# KiCad board Arduino_AAT.kicad_pcb
title: Arduino Tracking Antenna PCB; date: 2024-03-16; rev: 0.9
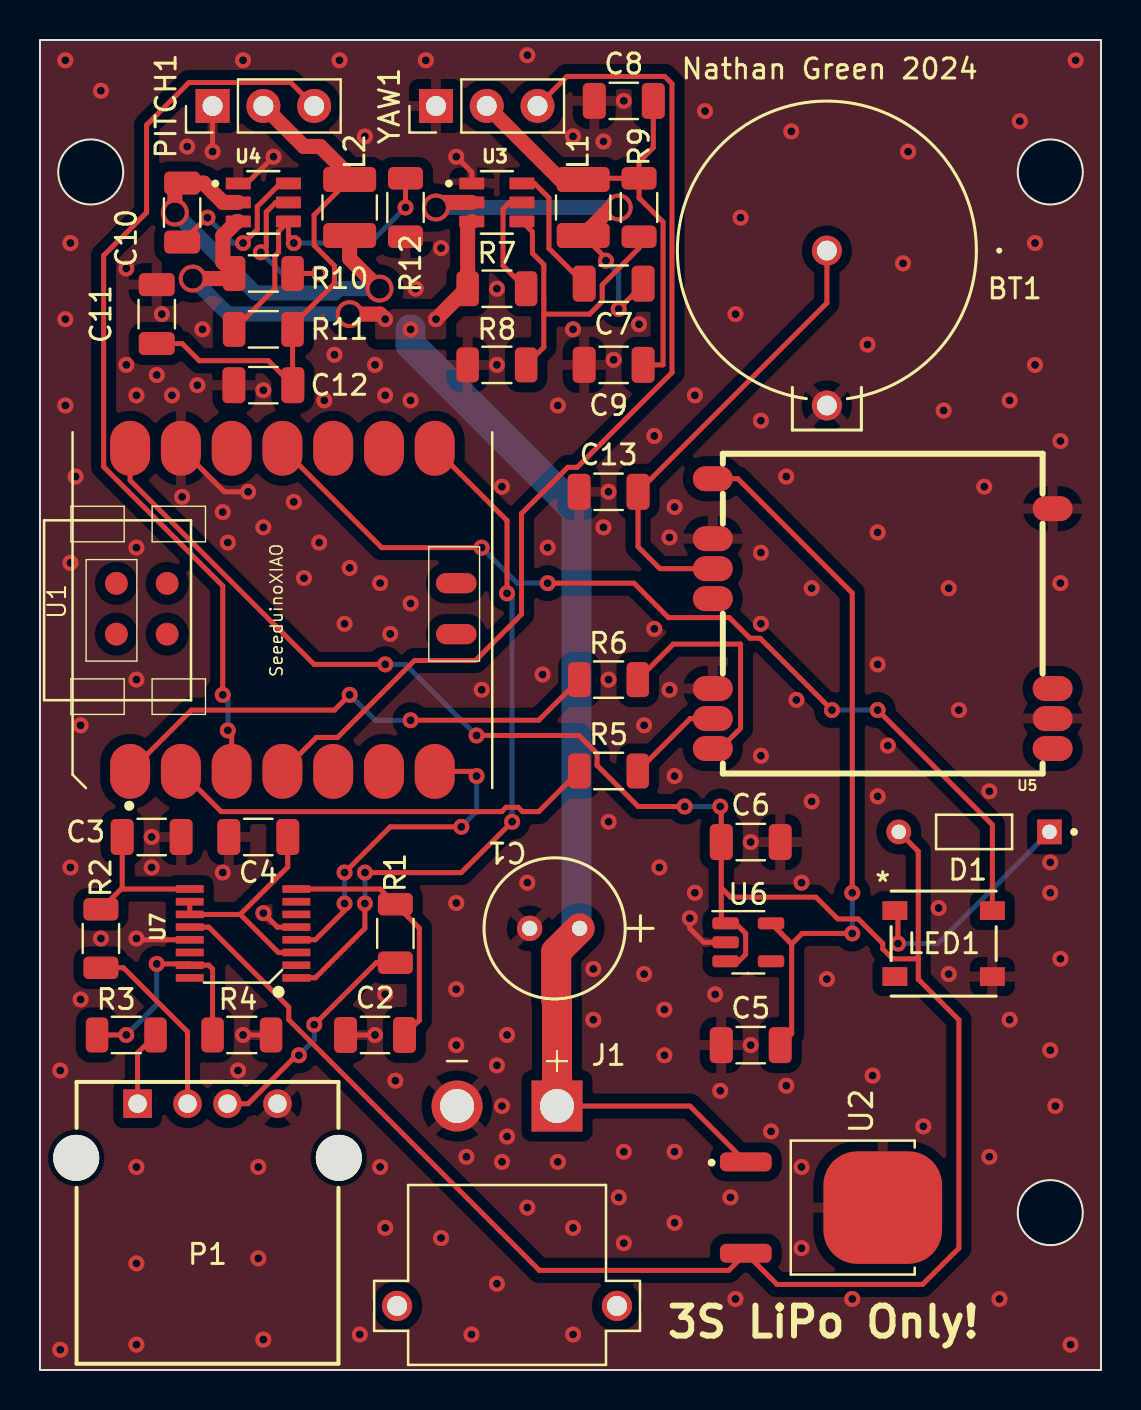
[diagram p0: board, top side]
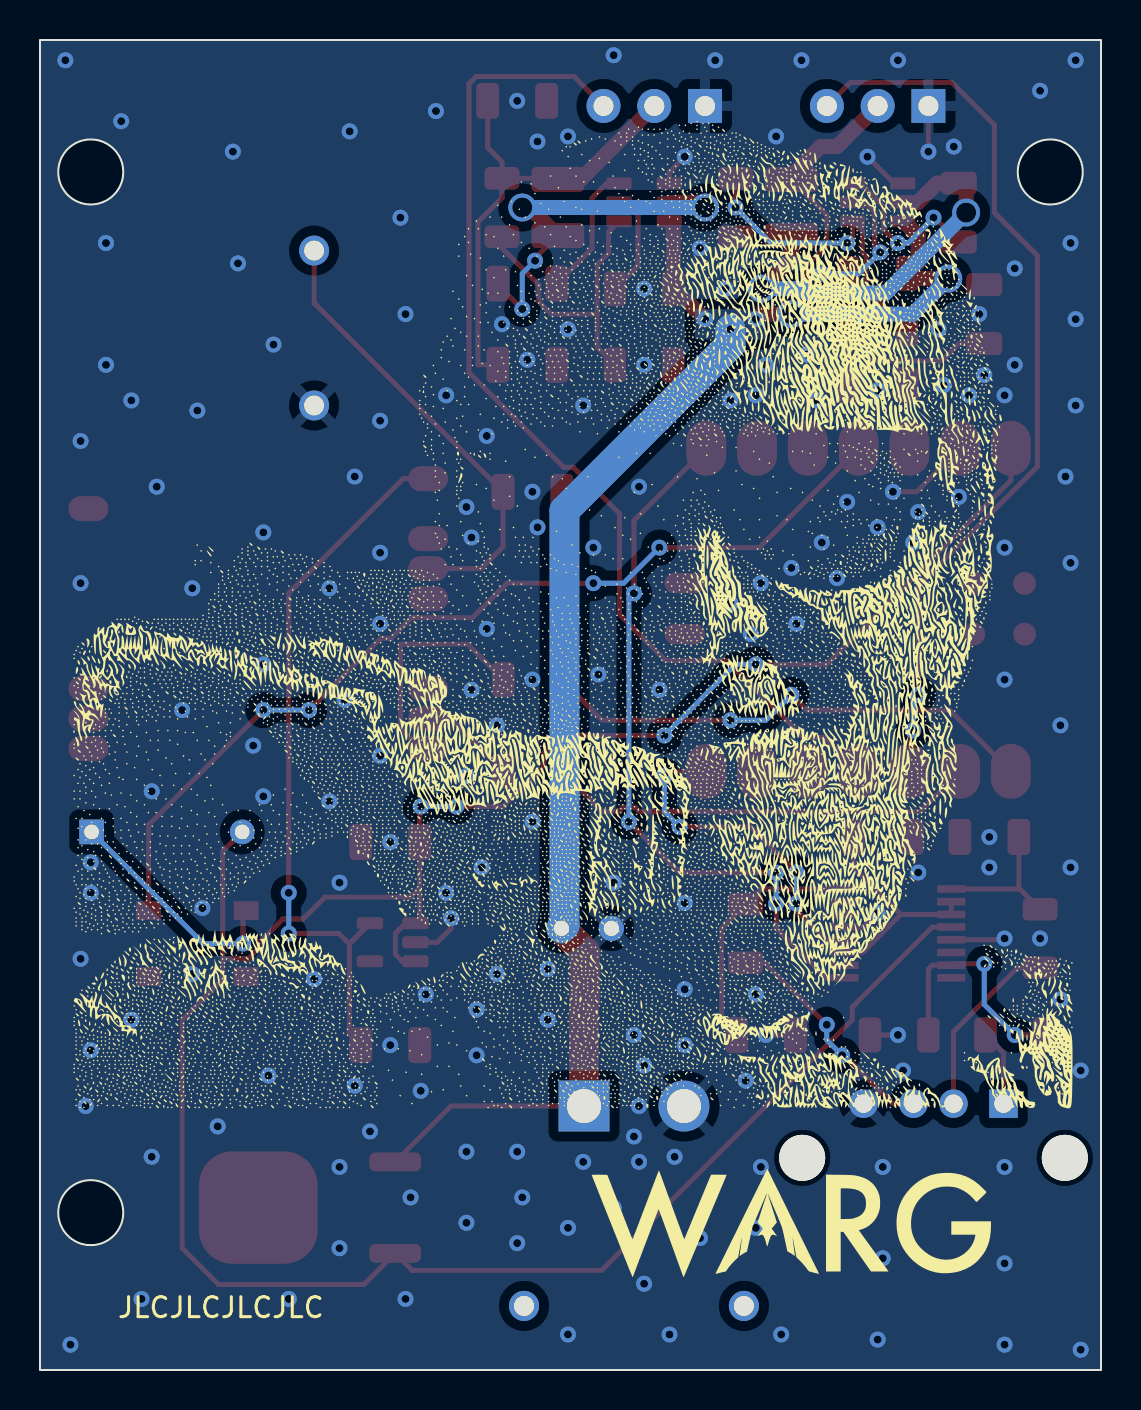
[diagram p1: board, bottom side, seen from below]

Outline 53.09 x 66.55 mm; copper layers: Top, Bottom. Coordinates in mm from the lower left corner of the outline.
Outline path: rectangle 0,66.55 53.09,0 ; circle c2.54,59.94 r1.63 ; circle c50.55,59.94 r1.63 ; circle c50.55,7.87 r1.63
Stack: Top 0.035mm / dielectric 1.51mm FR4 er 4.5 / Bottom 0.035mm

## Placement (name value [footprint] x y rotation side)
BT1  Battery_Cell  [BH-98R-1_ADM]  39.37 56.01 0 top
C1  220uF  [CAP_YX_6P3X11_RUB]  27 22.1 180 top
C2  47pF  [C_1206_3216Metric]  16.76 16.76 0 top
C3  47pF  [C_1206_3216Metric]  5.59 26.67 180 top
C4  100nF  [C_1206_3216Metric]  10.92 26.67 0 top
C5  47uF  [C_1206_3216Metric]  35.56 16.26 0 top
C6  47uF  [C_1206_3216Metric]  35.56 26.42 0 top
C7  0.1uF  [C_1206_3216Metric]  28.7 54.36 180 top
C8  22uF  [C_1206_3216Metric]  29.21 63.5 0 top
C9  22uF  [C_1206_3216Metric]  28.7 50.29 0 top
C10  0.1uF  [C_1206_3216Metric]  7.11 57.91 270 top
C11  22uF  [C_1206_3216Metric]  5.84 52.83 270 top
C12  22uF  [C_1206_3216Metric]  11.18 49.28 0 top
C13  1uF  [C_1206_3216Metric]  28.45 43.94 0 top
D1  1N4148TR  [DIOAD753W49L380D172B]  46.74 26.92 180 top
G***  LOGO  [warg]  15.49 7.37 180 bottom
G***#2  LOGO  [bateman_phone]  26.42 38.1 180 bottom
J1  XT30PW-M  [AMASS_XT30PW-M]  23.37 3.21 180 top
L1  3.3uF  [L_1210_3225Metric]  27.18 58.17 90 top
L2  3.3uF  [L_1210_3225Metric]  15.49 58.17 90 top
LED1  COM-16347  [COM-16347_SPK]  45.21 21.34 0 top
P1  USB-A1HSW6  [OST_USB-A1HSW6]  8.38 6.82 0 top
PITCH1  Conn_01x03_Pin  [PinHeader_1x03_P2.54mm_Vertical]  8.64 63.25 90 top
R1  27R  [R_1206_3216Metric]  17.78 21.84 270 top
R2  27R  [R_1206_3216Metric]  3.05 21.59 270 top
R3  4k7  [R_1206_3216Metric]  4.32 16.76 0 top
R4  10k  [R_1206_3216Metric]  10.1 16.76 180 top
R5  220R  [R_1206_3216Metric]  28.45 29.97 0 top
R6  220R  [R_1206_3216Metric]  28.45 34.54 0 top
R7  10k  [R_1206_3216Metric]  22.86 54.1 180 top
R8  10k  [R_1206_3216Metric]  22.86 50.29 180 top
R9  54.9k  [R_1206_3216Metric]  29.97 58.17 270 top
R10  10k  [R_1206_3216Metric]  11.18 54.86 180 top
R11  54.9k  [R_1206_3216Metric]  11.18 52.07 180 top
R12  10k  [R_1206_3216Metric]  18.29 58.17 270 top
U1  SeeeduinoXIAO  [Seeeduino XIAO-MOUDLE14P-2.54-21X17.8MM]  22.63 29.12 90 top
U2  AS7805ADTR-G1  [DPAK457P1010X238-3N]  39.57 8.13 270 top
U3  TPS563201DDCR  [SOT95P280X110-6N]  22.86 58.42 0 top
U4  TPS563201DDCR  [SOT95P280X110-6N]  11.18 58.42 0 top
U5  -  [PA6H-GPS]  42.16 37.85 0 top
U6  MIC5504-3.3YM5  [SOT-23-5]  35.44 21.4 0 top
U7  INTERFACE-FT230XS-R_SSOP16_  [SSOP16-0.635-5X4MM]  10.16 21.84 90 top
YAW1  Conn_01x03_Pin  [PinHeader_1x03_P2.54mm_Vertical]  19.81 63.25 90 top

## Library data of the parts
BT1 = -: Description: Single-cell battery
C1 = -: Description: Polarized capacitor; Part No: 25YXJ220M6.3X11
C2-C13 = -: Description: Unpolarized capacitor
D1 = -: Description: Diode Small Signal Switching Si 100V 0.3A 2-Pin DO-35 T/R; Availability: In Stock; Check_prices: https://www.snapeda.com/parts/1N4148TR/Onsemi/view-part/?ref=eda; MANUFACTURER: Onsemi; MAXIMUM_PACKAGE_HEIGHT: 1.91mm; MF: onsemi; PARTREV: 5; Package: AXIAL LEAD-2 ON Semiconductor; Price: None; Purchase-URL: https://www.snapeda.com/api/url_track_click_mouser/?unipart_id=7125242&manufacturer=onsemi&part_name=1N4148TR&search_term=1n4148tr; STANDARD: IPC-7351B; SnapEDA_Link: https://www.snapeda.com/parts/1N4148TR/Onsemi/view-part/?ref=snap
J1 = -: Description: Socket; DC supply; XT30; male; PIN: 2; on PCBs; THT; Colour: yellow; Availability: Not in stock; Check_prices: https://www.snapeda.com/parts/XT30PW-M/AMASS/view-part/?ref=eda; MANUFACTURER: Amass; MAXIMUM_PACKAGE_HEIGHT: 5 mm; MF: AMASS; PARTREV: 1.2; Package: None; Price: None; STANDARD: Manufacturer Recommendations; SnapEDA_Link: https://www.snapeda.com/parts/XT30PW-M/AMASS/view-part/?ref=snap
L1 L2 = -: Description: Inductor
P1 = -: Description: USB-A (USB TYPE-A) - Receptacle Connector 4 Position Through Hole, Right Angle; Availability: In Stock; Check_prices: https://www.snapeda.com/parts/USB-A1HSW6/On+Shore+Technology+Inc./view-part/?ref=eda; MANUFACTURER: On-Shore Technology, Inc.; MF: On Shore; Package: None; Price: None; SnapEDA_Link: https://www.snapeda.com/parts/USB-A1HSW6/On+Shore+Technology+Inc./view-part/?ref=snap
PITCH1 YAW1 = -: Description: Generic connector, single row, 01x03, script generated
R1-R12 = -: Description: Resistor
U2 = -: Description: 1A Low Dropout regulator, positive, 5.0V fixed output, TO-252
U3 U4 = -: Description: 4.5 V to 17 V input, 3 A output, synchronous step-down converter in Eco-mode; Availability: In Stock; Check_prices: https://www.snapeda.com/parts/TPS563201DDCR/Texas+Instruments/view-part/?ref=eda; MANUFACTURER: Texas Instruments; MAXIMUM_PACKAGE_HEIGHT: 1.10mm; MF: Texas Instruments; PARTREV: December 2015; Package: SOT-23-THN-6 Texas Instruments; Price: None; Purchase-URL: https://www.snapeda.com/api/url_track_click_mouser/?unipart_id=1236927&manufacturer=Texas Instruments&part_name=TPS563201DDCR&search_term=tps563201ddcr; STANDARD: IPC-7351B; SnapEDA_Link: https://www.snapeda.com/parts/TPS563201DDCR/Texas+Instruments/view-part/?ref=snap
U5 = -: req: FGPMMOPA6H/25mA/3V3/16x16x4.7mm
U6 = -: Description: 300mA Low-dropout Voltage Regulator, Vout 3.3V, Vin up to 5.5V, SOT-23
U7 = -: Description: USB Bridge, USB to UART USB 2.0 UART Interface 16-SSOP; Availability: In Stock; Check_prices: https://www.snapeda.com/parts/FT230XS-R/FTDI%252C+Future+Technology+Devices+International+Ltd/view-part/?ref=eda; MF: FTDI,; MP: FT230XS-R; MPN: FT230XS-R; Package: SSOP-16 FTDI; Price: None; Purchase-URL: https://www.snapeda.com/api/url_track_click_mouser/?unipart_id=51325&manufacturer=FTDI,&part_name=FT230XS-R&search_term=None; SnapEDA_Link: https://www.snapeda.com/parts/FT230XS-R/FTDI%252C+Future+Technology+Devices+International+Ltd/view-part/?ref=snap

## Footprints (pads in the part's own frame, mm; a bottom-side part is the same pattern mirrored in y, then rotated)
AMASS_XT30PW-M
  round 2.55 hole 1.7: N(2.5,-10)
  rect 2.55x2.55 hole 1.7: P(-2.5,-10)
  round 1.508 hole 1: S1(5.5,0) S2(-5.5,0)
BH-98R-1_ADM
  round 1.499 hole 0.991: 1(0,0) 2(0,-7.75)
C_1206_3216Metric
  rrect 1.15x1.8 smd: 1(-1.475,0) 2(1.475,0)
CAP_YX_6P3X11_RUB
  round 1.27 hole 0.762: 1(0,0) 2(2.5,0)
COM-16347_SPK
  rect 1.245x0.94 smd: 1(-2.438,1.65) 2(-2.438,-1.65) 3(2.438,-1.65) 4(2.438,1.65)
DIOAD753W49L380D172B
  round 1.238 hole 0.73: A(3.768,0)
  rect 1.238x1.238 hole 0.73: K(-3.768,0)
DPAK457P1010X238-3N
  rrect 5.63x5.94 smd: 1(0,2.59)
  rrect 0.95x2.59 smd: 2(2.286,-4.26) 3(-2.286,-4.26)
L_1210_3225Metric
  rrect 1.25x2.65 smd: 1(-1.4,0) 2(1.4,0)
OST_USB-A1HSW6
  round 2.3 hole 2.3 unplated: (-6.57,3.8) (6.57,3.8)
  rect 1.428x1.428 hole 0.92: 1(-3.5,6.51)
  round 1.428 hole 0.92: 2(-1,6.51) 3(1,6.51) 4(3.5,6.51)
PA6H-GPS
  oval 2x1.25 smd: 1(-8.5,6.75) 3(-8.5,3.75) 4(-8.5,2.25) 5(-8.5,0.75) 8(-8.5,-3.75) 9(-8.5,-5.25) 10(-8.5,-6.75) 11(8.5,-6.75) 12(8.5,-5.25) 13(8.5,-3.75) 19(8.5,5.25)
PinHeader_1x03_P2.54mm_Vertical
  rect 1.7x1.7 hole 1: 1(0,0)
  oval 1.7x1.7 hole 1: 2(0,-2.54) 3(0,-5.08)
R_1206_3216Metric
  rrect 1.125x1.75 smd: 1(-1.462,0) 2(1.462,0)
Seeeduino XIAO-MOUDLE14P-2.54-21X17.8MM
  oval 2.748x1.999 smd: 1(0.833,18.118) 2(0.833,15.578) 3(0.833,13.038) 4(0.833,10.498) 5(0.833,7.958) 6(0.833,5.418) 7(0.833,2.878) 8(16.998,2.878) 9(16.998,5.418) 10(16.998,7.958) 11(16.998,10.498) 12(16.998,13.038) 13(16.998,15.578) 14(16.998,18.118)
  oval 1.016x2.032 smd: 15(7.7,1.8) 16(10.25,1.8)
  round 1.143 smd: 17(7.699,18.804) 18(10.239,18.804) 19(7.699,16.264) 20(10.239,16.264)
SOT95P280X110-6N
  rrect 1.25x0.59 smd: 1(-1.255,0.95) 2(-1.255,0) 3(-1.255,-0.95) 4(1.255,-0.95) 5(1.255,0) 6(1.255,0.95)
SOT-23-5
  rrect 1.325x0.6 smd: 1(-1.137,0.95) 2(-1.137,0) 3(-1.137,-0.95) 4(1.137,-0.95) 5(1.137,0.95)
SSOP16-0.635-5X4MM
  rect 0.381x1.397 smd: 1(-2.223,-2.667) 2(-1.587,-2.667) 3(-0.953,-2.667) 4(-0.318,-2.667) 5(0.318,-2.667) 6(0.953,-2.667) 7(1.587,-2.667) 8(2.223,-2.667) 9(2.223,2.667) 10(1.587,2.667) 11(0.953,2.667) 12(0.318,2.667) 13(-0.318,2.667) 14(-0.953,2.667) 15(-1.587,2.667) 16(-2.223,2.667)

## Nets
GND: BT1.2 C1.2 C2.1 C3.1 C4.1 C5.1 C6.2 C8.1 C9.1 C11.1 C12.1 C13.1 J1.N LED1.3 P1.4 PITCH1.1 R4.1 R8.2 R12.2 U1.13 U2.1 U3.1 U4.1 U5.3 U5.8 U5.12 U5.19 U6.2 U7.5 U7.13 YAW1.1
V_XT30: C1.1 J1.P R7.2 R10.2 U2.3 U3.3 U4.3
Net-(BT1-+): BT1.1 C13.2 U5.4
Net-(LED1-DIN): LED1.4 U1.11
Net-(LED1-VDD): D1.K LED1.1
Net-(P1-D+): P1.3 R1.2
Net-(P1-D-): P1.2 R2.2
Net-(P1-VBUS): P1.1 R3.2
Net-(PITCH1-Pin_2): C11.2 C12.2 L2.2 PITCH1.2 R11.1
Net-(PITCH1-Pin_3): PITCH1.3 U1.3
Net-(U1-PA02_A0_D0): R6.1 U1.1
Net-(U1-PA4_A1_D1): R5.1 U1.2
Net-(U1-PA11_A3_D3): U1.4 YAW1.3
Net-(U1-PB08_A6_D6_TX): U1.7 U7.4
Net-(U1-PB09_A7_D7_RX): U1.8 U7.1
Net-(U2-VO): C6.1 D1.A U1.14 U2.2 U6.1 U6.3 U7.12
Net-(U3-EN): R7.1 U3.5
Net-(U3-SW): C7.1 L1.1 U3.2
Net-(U3-VBST): C7.2 U3.6
Net-(U3-VFB): R8.1 R9.2 U3.4
Net-(U4-EN): R10.1 U4.5
Net-(U4-SW): C10.1 L2.1 U4.2
Net-(U4-VBST): C10.2 U4.6
Net-(U4-VFB): R11.2 R12.1 U4.4
Net-(U5-RX): R6.2 U5.10
Net-(U5-TX): R5.2 U5.9
Net-(U5-Vcc): C5.2 U5.1 U6.5
Net-(U7-3V3OUT): C4.2 U7.3 U7.10 U7.11
Net-(U7-CBUS0): R3.1 R4.2 U7.15
Net-(U7-USBDM): C3.2 R2.1 U7.9
Net-(U7-USBDP): C2.2 R1.1 U7.8
Net-(YAW1-Pin_2): C8.2 C9.2 L1.2 R9.1 YAW1.2

Pads without a net: J1 S1 S2; LED1 2; U1 5 6 9 10 12 15 16 17 18 19 20; U5 5 11 13; U6 4; U7 2 6 7 14 16

## Via types
v1: diameter 0.8, hole 0.4, Top to Bottom, 222 vias
v2: diameter 1.4, hole 1, Top to Bottom, 6 vias

## Routing (per net, layer and track width the routed paths; a pad name or vN(x,y) marks a point on that pad's centre or on a via; arc(x,y) is an arc through that point)
GND: length 20.8
  Top w0.25: U7.5 11.87,22.16 v1(11.18,22.86) ; v1(10.41,43.94) 9.23,43.94 U1.13 ; U7.13 4.89,21.53 v1(4.83,21.59) ; v1(20.83,60.71) 21.61,59.93 U3.1 ; v1(32.51,22.61) 32.51,22.1 33.21,21.4 U6.2 ; v1(11.68,60.71) 10.35,59.37 U4.1 ; C2.1 v1(16.76,16.76) ; v1(8.64,60.96) PITCH1.1 ; R4.1 v1(10.16,16.76) ; 34.16,41.6 34.16,41.78
  vias: v1(1.02,14.99) v1(1.02,1.02) v1(1.27,65.53) v1(1.27,52.58) v1(1.27,48.26) v1(1.52,56.39) v1(1.52,40.39) v1(1.52,25.15) v1(1.78,44.7) v1(2.03,32.26) v1(2.03,18.54) v1(3.05,64.01) v1(3.05,21.59) v1(4.32,55.12) v1(4.32,50.29) v1(4.83,48.77) v1(4.83,41.15) v1(4.83,34.54) v1(4.83,10.16) v1(4.83,5.33) v1(4.83,1.27) v1(5.59,26.67) v1(5.59,25.15) v1(5.84,49.78) v1(6.1,52.83) v1(6.6,48.77) v1(7.11,43.69) v1(7.37,61.21) v1(7.87,49.28) v1(8.13,52.07) v1(9.14,42.93) v1(9.14,24.89) v1(9.4,41.4) v1(9.91,14.99) v1(10.16,65.53) v1(10.92,10.16) v1(10.92,5.59) v1(11.18,49.02) v1(11.18,42.16) v1(11.18,1.52) v1(12.7,43.43) v1(13.21,39.62) v1(13.97,41.4) v1(14.22,48.51) v1(14.73,50.8) v1(14.99,65.53) v1(15.24,37.34) v1(15.49,40.13) v1(16,1.78) v1(16.26,61.72) v1(16.76,50.29) v1(17.02,39.37) v1(17.02,10.16) v1(17.27,48.77) v1(17.27,18.8) v1(17.27,7.11) v1(17.53,36.83) v1(17.78,14.48) v1(18.54,48.51) v1(18.54,38.35) v1(18.8,54.1) v1(19.3,65.53) v1(20.07,56.13) v1(20.07,6.6) v1(20.83,23.37) v1(20.83,19.05) v1(20.83,16.26) v1(21.34,10.67) v1(21.59,1.78) v1(22.1,34.04) v1(22.86,54.1) v1(22.86,50.29) v1(22.86,15.24) v1(22.86,4.32) v1(23.11,44.2) v1(23.11,13.21) v1(23.11,10.41) v1(23.37,16.76) v1(23.37,11.68) v1(24.38,65.79) v1(24.38,24.38) v1(24.38,8.13) v1(25.15,34.8) v1(25.4,41.15) v1(25.91,48.26) v1(25.91,10.41) v1(26.67,61.72) v1(26.67,52.07) v1(26.67,7.11) v1(26.67,1.78) v1(27.69,20.07) v1(27.69,17.53) v1(28.19,61.47) v1(28.19,42.16) v1(28.45,43.94) v1(28.45,34.54) v1(28.45,27.43) v1(28.7,50.55) v1(28.96,8.64) v1(29.21,63.5) v1(29.21,10.92) v1(29.21,6.35) v1(29.97,52.32) v1(30.23,32.26) v1(30.23,19.81) v1(30.73,46.74) v1(30.73,37.08) v1(30.99,25.15) v1(31.24,18.03) v1(31.24,15.75) v1(31.5,41.66) v1(31.5,34.04) v1(31.75,43.18) v1(31.75,29.72) v1(31.75,10.92) v1(31.75,7.37) v1(32.77,48.77) v1(32.77,23.88) v1(33.27,62.99) v1(33.78,18.8) v1(34.04,13.97) v1(34.54,8.64) v1(34.8,52.83) v1(34.8,3.56) v1(35.05,57.66) v1(35.56,26.42) v1(35.56,16.26) v1(36.07,47.5) v1(36.07,40.89) v1(36.07,37.34) v1(36.07,30.73) v1(36.58,11.94) v1(37.34,44.7) v1(37.34,14.22) v1(37.59,61.98) v1(37.85,33.53) v1(38.1,24.38) v1(38.1,10.16) v1(38.1,6.1) v1(38.61,39.12) v1(38.61,28.45) v1(39.37,19.56) v1(40.64,3.56) v1(41.4,51.31) v1(41.66,14.73) v1(41.91,41.91) v1(41.91,35.31) v1(41.91,28.7) v1(42.42,31.24) v1(43.18,55.37) v1(43.43,60.96) v1(44.2,12.19) v1(44.96,23.11) v1(45.21,48.01) v1(45.47,39.12) v1(45.47,19.81) v1(45.97,33.02) v1(47.24,44.2) v1(47.5,28.96) v1(47.5,10.67) v1(48.01,3.56) v1(48.51,48.51) v1(48.51,17.53) v1(49.02,62.48) v1(49.78,56.39) v1(49.78,50.29) v1(50.55,25.4) v1(50.55,23.88) v1(50.55,16) v1(50.8,13.21) v1(51.05,46.48) v1(51.05,39.37) v1(51.05,20.57) v1(51.56,1.27) v1(51.82,65.53)
V_XT30: length 75
  Top w0.25: U2.3 32.52,13.21 J1.P
  Top w0.75: v1(19.81,52.58) 21.34,54.1 R7.2 21.4,57.26 U3.3 ; U4.3 9.86,57.47 9.15,56.76 9.15,55.43 R10.2 9.46,54.61 v2(7.64,54.61) ; v2(15.49,52.83) 17.02,52.83 v1(17.27,52.58)
  Top w1.5: J1.P 25.87,18.5 25.83,18.54 25.83,20.93 C1.1
  Bottom w0.75: v2(7.64,54.61) 9.42,52.83 v2(15.49,52.83)
  Bottom w1.5: v1(18.54,52.07) 18.54,51.31 26.84,43.01 26.84,22.25 C1.1
Net-(BT1-+): length 22.9
  Top w0.25: BT1.1 39.37,53.39 C13.2 29.92,41.19 31.01,40.1 U5.4
Net-(LED1-DIN): length 47.6
  Top w0.25: U1.11 17.1,41.15 v1(22.1,41.15) ; LED1.4 47.65,27.28 v1(41.91,33.02) ; v1(39.62,33.02) 36.03,36.61 35.52,36.61 34.49,37.65 31.44,37.65 29.72,39.37 v1(25.4,39.37)
  Bottom w0.25: v1(41.91,33.02) v1(39.62,33.02) ; v1(25.4,39.37) 23.89,39.37 22.11,41.15 v1(22.1,41.15)
Net-(LED1-VDD): length 11.6
  Top w0.25: v1(42.93,21.34) 42.93,22.83 LED1.1
  Bottom w0.25: v1(42.93,21.34) 44.92,21.34 D1.K
Net-(P1-D+): length 11.8
  Top w0.25: P1.3 10.41,13.33 12.83,15.75 v1(12.95,15.75) ; v1(13.72,17.28) 16.83,20.38 R1.2
  Bottom w0.25: v1(13.72,17.28) 13.72,16.51 v1(12.95,15.75)
Net-(P1-D-): length 9.3
  Top w0.25: P1.2 7.38,16.92 4.17,20.13 R2.2
Net-(P1-VBUS): length 3.8
  Top w0.25: R3.2 4.88,15.87 P1.1
Net-(PITCH1-Pin_2): length 25.9
  Top w0.25: C11.2 7.11,51.36 7.97,50.5 11.43,50.5 C12.2 12.64,49.29 R11.1 12.64,52.27 14.73,54.37 14.73,55.26 13.72,56.27 13.72,57.79 L2.2
  Top w0.5: 15.49,59.57 L2.2
  Top w0.75: PITCH1.2 13.2,61.22 14.02,61.22 15.49,59.75 L2.2
Net-(PITCH1-Pin_3): length 45.6
  Top w0.25: v1(9.14,33.78) 9.14,39.24 3.19,45.19 3.19,55.76 5.33,57.91 5.33,62.29 7.46,64.42 12.54,64.42 PITCH1.3 ; v1(9.4,32) 9.59,31.81 U1.3
  Bottom w0.25: v1(9.14,33.78) 9.4,33.53 v1(9.4,32)
Net-(U1-PA02_A0_D0): length 25.4
  Top w0.25: U1.1 7.58,33.02 14.73,33.02 v1(15.49,33.78) ; v1(18.54,32.51) 24.95,32.51 R6.1
  Bottom w0.25: v1(18.54,32.51) 16.76,32.51 v1(15.49,33.78)
Net-(U1-PA4_A1_D1): length 21.8
  Top w0.25: U1.2 9.06,27.94 23.1,27.94 23.32,28.16 23.92,28.16 24.14,27.94 24.95,27.94 R5.1
Net-(U1-PA11_A3_D3): length 52.7
  Top w0.25: YAW1.3 26.37,64.72 31.26,64.72 31.62,64.36 31.62,49.91 26.88,45.17 26.4,45.17 24.09,42.86 24.09,37.81 21.79,35.5 18.74,35.5 14.89,31.65 13.83,31.65 U1.4
Net-(U1-PB08_A6_D6_TX): length 16.8
  Top w0.25: U7.4 13.78,21.53 15.24,22.99 v1(15.24,23.34) ; v1(21.08,27.18) 17.53,27.18 v1(15.24,24.89) ; v1(21.84,29.72) 21.61,29.95 U1.7
  Bottom w0.25: v1(15.24,24.89) v1(15.24,23.34) ; v1(21.84,29.72) 21.84,27.94 v1(21.08,27.18)
Net-(U1-PB09_A7_D7_RX): length 35.9
  Top w0.25: v1(23.62,27.43) 21.08,24.89 v1(16.26,24.89) ; v1(16.26,23.34) 16.26,22.1 13.78,19.62 U7.1 ; U1.8 23.37,42.5 v1(23.37,38.86)
  Bottom w0.25: v1(16.26,23.34) 16.26,24.88 v1(16.26,24.89) ; v1(23.37,38.86) 23.62,38.61 v1(23.62,27.43)
Net-(U2-VO): length 128.9
  Top w0.25: U1.14 4.51,44.51 13.72,35.31 v1(17.27,35.31) ; D1.A 43.94,25.95 43.94,20.57 ; v1(34.04,28.19) 34.08,28.14 C6.1 34.08,24.13 ; 34.08,24.13 34.56,23.66 38.83,23.66 39.92,22.57 40.94,22.57 42.16,21.35 42.16,21.07 42.66,20.57 43.94,20.57 ; 34.08,24.13 34.08,22.57 U6.1 34.8,22.35 35.31,21.84 35.31,20.79 34.96,20.45 U6.3 ; 43.94,20.57 43.94,19.55 45.97,17.52 45.97,6.1 44.16,4.28 36.87,4.28 U2.2 34.46,4.99 24.98,4.99 12.45,17.52 12.45,18.15 8.44,22.16 U7.12 ; v1(21.84,31.75) 26.97,31.75 27.87,30.84 27.87,30.25 29.93,28.19 v1(32.26,28.19)
  Bottom w0.25: v1(21.84,31.75) 18.29,35.31 v1(17.27,35.31) ; v1(34.04,28.19) v1(32.26,28.19)
Net-(U3-EN): length 5.6
  Top w0.25: U3.5 23.49,58.42 23.17,58.09 23.17,55.26 R7.1
Net-(U3-SW): length 20.4
  Top w0.25: 27.94,56.59 27.18,56.59 ; v1(28.32,55.5) 28.32,55.63 L1.1 ; v1(28.96,53.09) 30.18,54.31 30.18,54.36
  Top w0.75: v2(19.81,58.17) 20.07,58.42 U3.2 ; L1.1 28.58,58.17 v2(28.96,58.17)
  Bottom w0.25: v1(28.96,53.09) 28.96,54.86 v1(28.32,55.5)
  Bottom w0.75: v2(19.81,58.17) v2(28.96,58.17)
Net-(U3-VBST): length 6.7
  Top w0.25: U3.6 24.74,59.37 25.46,58.65 25.46,56.12 C7.2 27.23,54.43
Net-(U3-VFB): length 15.2
  Top w0.25: R9.2 29.97,56.13 28.13,54.29 28.13,53.46 27.5,52.83 25.21,52.83 ; 25.21,52.83 25.21,55.31 24.64,55.88 24.64,56.95 U3.4 ; 25.21,52.83 25.21,51.18 R8.1
Net-(U4-EN): length 8.1
  Top w0.25: v1(13.97,54.86) R10.1 ; v1(11.05,55.92) 11.32,56.19 11.32,57.93 11.81,58.42 U4.5
  Bottom w0.25: v1(11.05,55.92) 12.11,54.86 v1(13.97,54.86)
Net-(U4-SW): length 20.8
  Top w0.25: 15.24,57.02 L2.1 ; 15.24,56.84 15.49,56.59
  Top w0.75: v2(6.75,57.91) 6.75,59.02 C10.1 8.19,59.39 9.16,58.42 U4.2 ; L2.1 15.49,55.6 v2(16.99,54.11)
  Bottom w0.75: v2(6.75,57.91) 10.77,53.89 14.75,53.89 14.97,54.11 v2(16.99,54.11)
Net-(U4-VBST): length 8.3
  Top w0.25: U4.6 12.02,59.37 10.87,58.22 10.87,57.06 10.2,56.39 v1(10.16,56.39) ; C10.2 8.33,57.66 v1(8.38,57.66)
  Bottom w0.25: v1(10.16,56.39) 9.65,56.39 v1(8.38,57.66)
Net-(U4-VFB): length 15.5
  Top w0.25: v1(12.7,56.39) 12.43,56.66 U4.4 11.94,56.98 11.94,55.92 11.75,55.73 11.75,54.11 R11.2 ; v1(18.29,58.17) R12.1
  Bottom w0.25: v1(18.29,58.17) 16.51,56.39 v1(12.7,56.39)
Net-(U5-RX): length 11.9
  Top w0.25: R6.2 31.69,36.32 35.05,36.32 35.05,32.11 34.04,31.1 U5.10
Net-(U5-TX): length 4.8
  Top w0.25: U5.9 32.53,32.6 R5.2
Net-(U5-Vcc): length 37.8
  Top w0.25: v1(40.64,23.88) 40.64,38.87 34.91,44.6 U5.1 ; v1(40.64,21.84) 38.14,21.84 37.61,21.32 ; 37.61,21.32 37.61,16.83 C5.2 ; 37.61,21.32 U6.5 37.56,21.36
  Bottom w0.25: v1(40.64,23.88) v1(40.64,21.84)
Net-(U7-3V3OUT): length 11.6
  Top w0.25: 10.02,22.8 U7.11 U7.10 ; 10.02,22.8 12.4,25.18 C4.2 ; 10.02,22.8 11.92,20.89 U7.3
Net-(U7-CBUS0): length 11.8
  Top w0.25: R3.1 v1(4.32,16.76) ; R4.2 8.64,20.06 8.44,20.26 U7.15 7.43,20.32 v1(5.84,20.32)
  Bottom w0.25: v1(4.32,16.76) 5.84,18.29 v1(5.84,20.32)
Net-(U7-USBDM): length 7.5
  Top w0.25: 4.11,24.12 R2.1 ; 4.11,24.12 4.16,24.07 U7.9 ; 4.11,24.12 C3.2
Net-(U7-USBDP): length 12.6
  Top w0.25: U7.8 17.02,24.07 R1.1 18.98,22.11 18.98,17.5 C2.2
Net-(YAW1-Pin_2): length 24.3
  Top w0.25: 29.86,59.74 R9.1 ; R9.1 29.97,60.45 30.68,61.16 C8.2 ; R9.1 29.97,58.64 31.17,57.44 31.17,50.29 30.18,50.29 ; R9.1 27.24,59.63 L1.2
  Top w0.75: YAW1.2 26.03,59.57 L1.2

## Copper pours and planes (outline as drawn; the poured copper is in the pictures)
GND on Top: 0,66.55 53.09,66.55 53.09,0 0,0
GND on Bottom: 0,66.55 53.09,66.55 53.09,0 0,0
V_XT30 on Top: 16.76,53.09 20.32,53.09 20.32,51.56 16.76,51.56
V_XT30 on Bottom: 16.76,53.09 20.32,53.09 20.32,51.56 16.76,51.56

## Text on the board
B.Silkscreen: JLCJLCJLCJLC
F.Silkscreen: Nathan Green 2024 | 3S LiPo Only!
